# Altium PCB CU-ON-OFF-V2-08-11-18.PcbDoc (part 2 of 14) (continued)
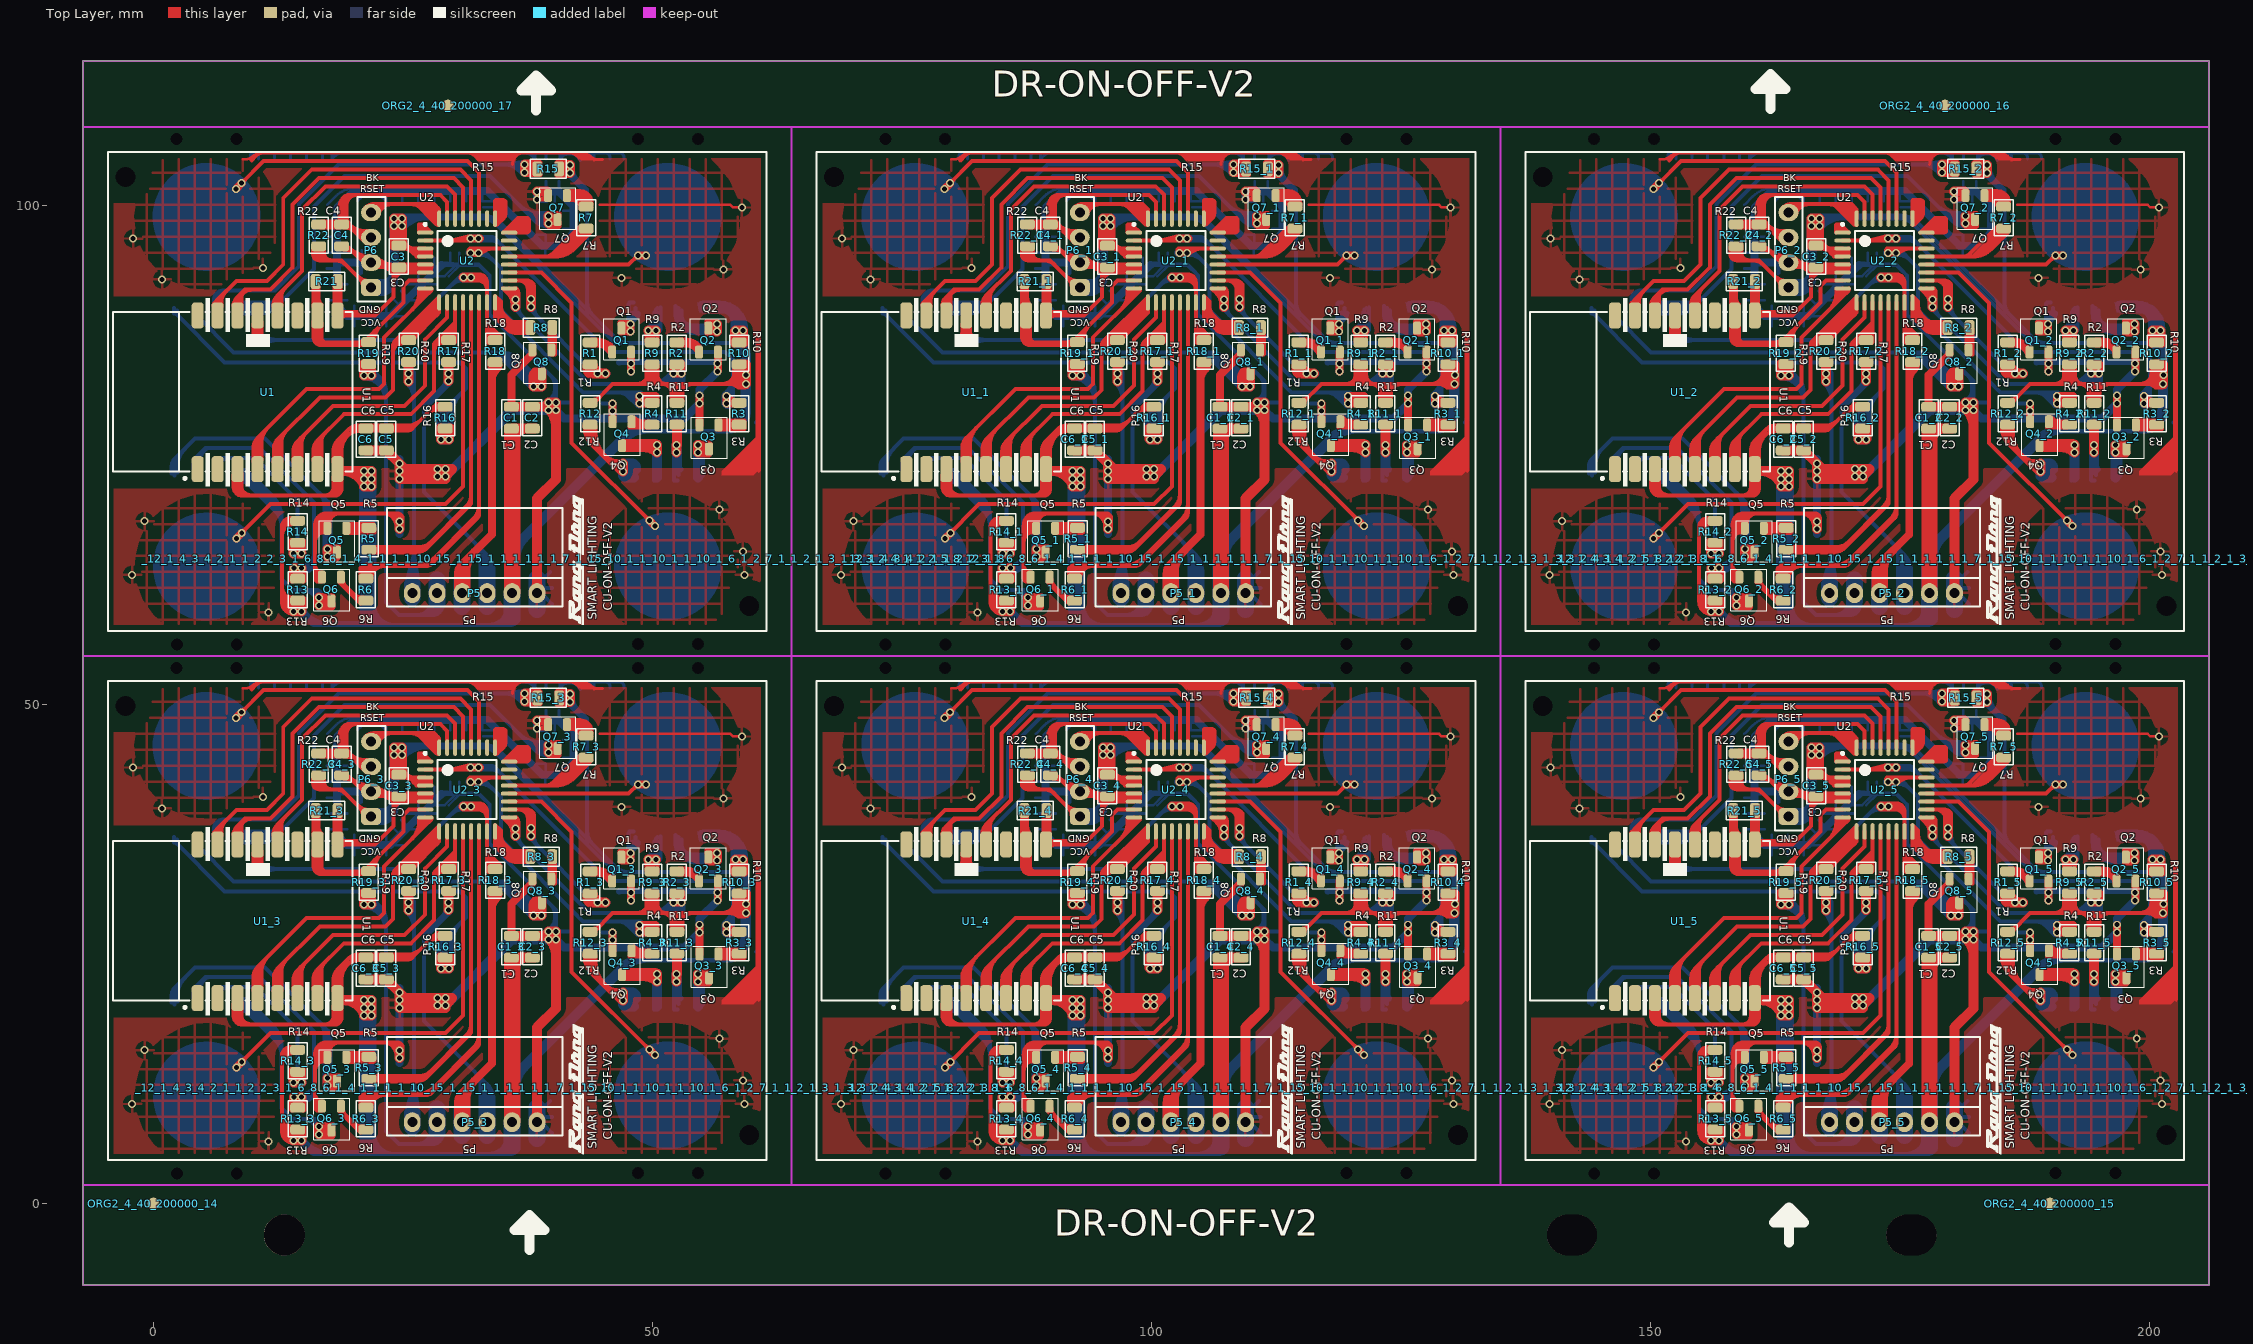
[diagram p0: Top Layer view]
## Nets (pads, with @x,y where several pads share a name; then routed paths per layer and width w, separated by ;. In a path a pad name is that pad's centre, name@x,y a point inside that pad or via, vN(x,y) a via of type N, cw(c..) or ccw(c..) an arc to the next point about the centre after c; other vN are vias at no path point) (continued)
  Bottom Layer w0.4: v1@25.437,82.522 ccw(c25.096,82.864) 25.578,82.864 ccw(c26.061,82.864) v1@25.72,82.522 ; v1@25.437,83.015 cw(c25.096,82.673) 25.578,82.673 cw(c26.061,82.673) v1@25.72,83.015 ; v1@25.461,82.994 cw(c25.326,82.808) v1@25.548,82.749 ; P5.1@25.481,61.766 ccw(c23.949,63.298) 26.116,63.298 ; v1@25.578,82.181 cw(c25.578,81.698) 25.92,82.04 cw(c26.261,82.381) v1@25.778,82.381 ; v1(25.578,83.156) v1(25.578,82.381) 26.116,81.843 P5.1@26.116,61.331 ; v1@25.609,82.749 cw(c25.831,82.808) v1@25.696,82.994 ; P5.1@25.764,61.483 ccw(c24.915,62.332) 26.116,62.332 ; 26.116,62.453 ccw(c27.088,62.453) P5.1@26.401,61.766
  Bottom Layer w1.7: P5.1@25.941,60.656 P5.1@25.941,61.156 P5.1@25.941,62.056
NetP5_2: P5.2 R19.1 | length 41.1
  Top Layer w0.4: v1@20.973,83.143 ccw(c20.128,84.306) 21.566,84.306 21.566,83.156 v1@21.741,82.981 ; v1@21.128,82.709 cw(c21.496,82.439) v1@21.753,82.816 ; v1@21.209,82.819 ccw(c20.699,83.521) 21.566,83.521 ; R19.1@21.354,83.894 cw(c20.842,83.382) 21.566,83.382 cw(c22.29,83.382) R19.1@21.778,83.894 ; v1@21.372,83.042 cw(c21.729,82.781) v1@21.979,83.146 ; R19.1@21.566,84.188 ccw(c23.073,84.188) v1@22.007,83.122
  Bottom Layer w0.4: v1@21.928,82.794 23.316,81.406 23.316,60.231 24.591,58.956 27.541,58.956 28.441,59.856 ; v1@22.066,82.981 ccw(c22.851,82.981) 22.296,82.426 ; P5.2@28.106,60.449 cw(c27.749,59.856) 28.441,59.856 ; P5.2@28.441,61.156 28.441,59.856 ; P5.2@28.776,60.449 ccw(c29.133,59.856) 28.441,59.856
  Bottom Layer w1.7: P5.2@28.441,61.156 28.441,62.481
  other v1: 21.091,82.981 21.866,82.981
NetP5_3: P5.3 R18.1 | length 30.3
  Top Layer w0.4: P5.3@30.481,61.766 ccw(c29.372,62.875) 30.941,62.875 ccw(c32.51,62.875) P5.3@31.401,61.766 ; R18.1@33.916,83.906 R18.1@34.116,84.106
  Top Layer w0.8: P5.3@30.941,61.156 30.941,64.081 33.916,67.056 R18.1@33.916,83.906
  Bottom Layer w1.7: 30.941,59.831 P5.3@30.941,61.156 ; P5.3@30.941,60.256 P5.3@30.941,61.156 ; 30.941,62.481 P5.3@30.941,61.156
NetP5_4: P5.4 R17.1 | length 38.8
  Top Layer w0.4: R17.1@29.379,84.094 cw(c28.867,83.582) 29.591,83.582 cw(c30.315,83.582) R17.1@29.803,84.094 ; v1@29.45,82.547 ccw(c29.108,82.889) 29.591,82.889 ccw(c30.074,82.889) v1@29.732,82.547 ; v1@29.45,83.04 cw(c29.108,82.698) 29.591,82.698 cw(c30.074,82.698) v1@29.732,83.04 ; v1@29.45,83.322 ccw(c29.108,83.664) 29.591,83.664 ccw(c30.074,83.664) v1@29.732,83.322 ; v1@29.473,82.568 ccw(c29.338,82.754) v1@29.56,82.813 ; v1(29.591,82.406) R17.1@29.591,84.056 ; v1@29.622,82.813 ccw(c29.844,82.754) v1@29.709,82.568
  Bottom Layer w0.4: v1@29.391,82.406 cw(c28.908,82.406) 29.25,82.065 cw(c29.591,81.723) v1@29.591,82.206 ; v1@29.45,82.547 ccw(c29.108,82.889) 29.591,82.889 ccw(c30.074,82.889) v1@29.732,82.547 ; v1@29.45,83.04 cw(c29.108,82.698) 29.591,82.698 cw(c30.074,82.698) v1@29.732,83.04 ; v1@29.473,82.568 ccw(c29.338,82.754) v1@29.56,82.813 ; v1(29.591,83.181) v1(29.591,82.406) 27.116,79.931 27.116,71.281 33.441,64.956 P5.4@33.441,61.156 ; v1@29.622,82.813 ccw(c29.844,82.754) v1@29.709,82.568 ; P5.4@32.981,61.766 ccw(c31.872,62.875) 33.441,62.875 ccw(c35.01,62.875) P5.4@33.901,61.766
  Bottom Layer w1.7: 33.441,59.831 P5.4@33.441,61.156 P5.4@33.441,60.256
NetQ1_2: Q1.2 R1.1 | length 4.6
  Top Layer w0.4: R1.1@43.766,86.281 44.991,86.281 Q1.2@45.966,85.306 ; R1.1@44.228,86.069 cw(c44.74,85.557) 44.74,86.281 cw(c44.74,87.005) R1.1@44.228,86.493 ; 45.198,86.074 ccw(c45.966,86.842) Q1.2@45.966,85.756
NetQ2_2: Q2.2 R2.1 | length 4.6
  Top Layer w0.4: R2.1@52.441,86.281 53.691,86.281 Q2.2@54.666,85.306 ; R2.1@52.903,86.069 cw(c53.415,85.557) 53.415,86.281 cw(c53.415,87.005) R2.1@52.903,86.493 ; 53.898,86.074 ccw(c54.666,86.842) Q2.2@54.666,85.756
NetQ3_2: Q3.2 R3.1 | length 4
  Top Layer w0.4: Q3.2@56.616,78.006 56.641,78.031 R3.1@58.691,78.031 ; Q3.2@56.757,77.865 cw(c57.159,77.463) 57.159,78.031 ; Q3.2@56.757,78.147 ccw(c57.038,78.429) 57.038,78.031 ; R3.1@58.229,77.819 ccw(c57.717,77.307) 57.717,78.031 ccw(c57.717,78.755) R3.1@58.229,78.243
NetQ4_2: Q4.2 R4.1 | length 5.5
  Top Layer w0.4: Q4.2@47.916,78.331 49.666,78.331 R4.1@49.966,78.031 ; Q4.2@48.057,78.19 cw(c48.399,77.848) 48.399,78.331 cw(c48.399,78.814) Q4.2@48.057,78.472 ; Q4.2@48.101,78.005 cw(c48.48,77.851) 48.586,78.246 ; Q4.2@48.268,78.331 cw(c48.268,76.583) R4.1@49.504,77.819 ; R4.1@49.233,78.331 cw(c49.233,77.548) R4.1@49.787,78.102
NetQ5_2: Q5.2 R5.1 | length 3.4
  Top Layer w0.4: Q5.2@19.341,67.831 R5.1@21.241,67.831 ; Q5.2@19.482,68.047 ccw(c20.005,68.57) 20.005,67.831 ; 20.315,67.831 cw(c20.315,66.68) R5.1@21.129,67.494
NetQ6_2: Q6.2 R6.1 | length 5.6
  Top Layer w0.4: Q6.2@18.791,62.756 18.791,62.331 20.716,60.406 R6.1@21.291,60.406 ; Q6.2@18.991,62.506 ccw(c19.896,62.506) 19.256,61.866 ; 19.974,61.148 ccw(c21.041,62.215) R6.1@21.041,60.706
NetQ7_2: Q7.2 R7.1 | length 4.5
  Top Layer w0.4: Q7.2@41.441,100.981 42.416,100.981 ; Q7.2@41.582,100.84 cw(c41.924,100.498) 41.924,100.981 cw(c41.924,101.464) Q7.2@41.582,101.122 ; R7.1@42.817,99.903 ccw(c41.44,100.004) 42.416,100.981 ; R7.1@43.516,99.881 42.416,100.981
NetQ8_2: Q8.2 R8.1 | length 4.1
  Top Layer w0.4: Q8.2@39.725,85.922 ccw(c39.142,86.505) 39.966,86.505 ; R8.1@39.754,87.294 cw(c39.242,86.782) 39.966,86.782 cw(c40.69,86.782) R8.1@40.178,87.294 ; Q8.2@39.866,85.331 39.966,85.431 R8.1@39.966,87.606
RESET: C4.1 P6.2 R22.2 U2.31 | length 31.2
  Top Layer w0.4: R22.2@16.466,98.106 C4.1@18.866,98.106 18.866,100.281 19.636,101.051 28.746,101.051 29.441,100.356 U2.31@29.441,98.681 ; R22.2@17.028,97.894 cw(c17.54,97.382) 17.54,98.106 cw(c17.54,98.83) R22.2@17.028,98.318 ; C4.1@18.404,97.894 ccw(c17.892,97.382) 17.892,98.106 ccw(c17.892,98.83) C4.1@18.404,98.318 ; C4.1@18.654,98.318 ccw(c18.142,98.83) 18.866,98.83 ccw(c19.59,98.83) C4.1@19.078,98.318 ; C4.1@19.116,97.806 cw(c19.116,96.297) 20.183,97.364 ; C4.1@19.266,98.106 C4.1@19.441,98.106 ; 19.993,97.554 ccw(c21.323,98.884) P6.2@21.626,97.028 ; 20.545,97.002 ccw(c21.478,97.935) P6.2@21.69,96.633 ; P6.2@21.049,96.577 ccw(c20.766,96.483) 20.766,96.781 ; P6.2@21.049,96.985 cw(c20.766,97.079) 20.766,96.781 ; P6.2@21.561,97.423 cw(c21.168,99.833) C4.1@19.441,98.106 ; P6.2@21.816,96.781 20.766,96.781 ; C4.1@19.441,98.106 20.766,96.781
VCC: C1.2 C2.2 C3.1 C5.1 C6.1 P5.5 P6.4 R9.1 R10.1 R11.1 R12.1 R13.1 R14.1 R15.1 R16.1 R22.1 U1.3 U1.8 U2.3 U2.4 | length 312.6
  Top Layer w0.4: U1.3@8.158,72.598 cw(c7.475,71.915) 8.441,71.915 cw(c9.407,71.915) U1.3@8.724,72.598 ; U1.3@8.691,73.581 8.441,73.331 8.441,71.581 9.091,70.931 17.891,70.931 18.466,71.506 U1.8@18.466,73.581 ; 12.916,67.781 cw(c13.821,66.876) R14.1@14.141,68.116 ; 13.411,68.276 cw(c14.024,67.663) R14.1@14.241,68.503 ; v1@13.955,59.507 ccw(c13.42,60.406) R13.1@14.466,60.406 ; R14.1@13.993,68.205 ccw(c13.541,67.797) 13.541,68.406 ; R14.1@13.993,68.607 cw(c13.541,69.015) 13.541,68.406 ; R13.1@14.004,60.194 ccw(c13.492,59.682) 13.492,60.406 ccw(c13.492,61.13) R13.1@14.004,60.618 ; v1@14.16,59.164 ccw(c13.839,59.702) 14.466,59.702 ; R13.1@14.258,60.19 cw(c13.791,59.702) 14.466,59.702 ; R13.1@14.35,60.136 ccw(c15.227,60.372) v1@14.904,59.522 ; 14.466,59.651 ccw(c15.047,59.651) v1@14.72,59.17 ; R14.1@14.466,68.406 13.541,68.406 ; v1@14.633,59.336 ccw(c14.15,59.336) 14.491,59.677 ccw(c14.833,60.018) v1@14.833,59.536 ; R13.1@14.674,60.19 ccw(c15.141,59.702) 14.466,59.702 ; v1(14.833,59.336) 14.466,59.702 ; v1@14.945,59.501 cw(c15.56,60.406) R13.1@14.466,60.406 ; R22.1@16.066,95.531 16.591,95.531 16.591,94.931 17.016,94.506 18.841,94.506 P6.4@21.104,92.243 ; R22.1@16.354,95.694 cw(c15.781,95.121) 16.591,95.121 ; 16.591,95.242 cw(c17.23,95.242) R22.1@16.778,95.694 ; U1.8@18.158,72.598 cw(c17.415,71.855) 18.466,71.855 ; U1.8@18.158,74.564 ccw(c17.415,75.307) 18.466,75.307 ; 18.466,71.976 cw(c19.346,71.976) U1.8@18.724,72.598 ; 18.466,75.186 ccw(c19.346,75.186) U1.8@18.724,74.564 ; U1.8@18.541,73.381 U1.8@18.441,73.581 U1.8@18.466,73.581 ; U1.8@18.724,73.298 cw(c19.407,72.615) 19.407,73.581 cw(c19.407,74.547) U1.8@18.724,73.864 ; 20.125,73.581 cw(c20.125,72.415) v1@20.95,73.24 ; 20.136,77.581 ccw(c20.136,78.561) C6.1@20.829,77.868 ; 20.386,92.961 ccw(c21.666,94.242) P6.4@21.666,92.431 ; 20.498,77.581 cw(c20.498,77.113) C6.1@20.829,77.444 ; 20.627,92.72 cw(c19.688,91.781) P6.4@21.016,91.781 ; v1@20.9,73.581 cw(c20.9,72.415) v1@21.725,73.24 ; v1@21.278,73.311 cw(c21.666,73.168) v1@21.666,73.581 ; C6.1@21.753,77.444 cw(c22.084,77.113) 22.084,77.581 ; C6.1@21.753,77.868 ccw(c22.446,78.561) 22.446,77.581 ; v1(21.866,73.381) v1@21.666,73.581 ; 22.186,77.581 ccw(c22.186,78.561) C5.1@22.879,77.868 ; 22.548,77.581 cw(c22.548,77.113) C5.1@22.879,77.444 ; C5.1@23.341,77.581 19.616,77.581 18.466,76.431 U1.8@18.466,73.581 ; C5.1@23.341,77.656 25.941,77.656 28.116,79.831 R16.1@28.791,79.831 ; C5.1@23.803,77.444 cw(c24.315,76.932) 24.315,77.656 cw(c24.315,78.38) C5.1@23.803,77.868 ; v1@23.992,97.783 cw(c23.51,97.301) 24.191,97.301 ; v1(24.133,97.924) 24.133,96.439 C3.1@24.591,95.981 ; 24.191,97.067 ccw(c25.427,97.067) C3.1@24.553,96.193 ; v1@24.191,97.924 24.191,96.231 24.741,95.681 U2.3@27.241,95.681 U2.4@27.241,94.881 ; C3.1@24.77,95.91 ccw(c25.324,96.464) C3.1@25.324,95.681 ; C3.1@25.053,96.193 ccw(c26.289,97.429) 26.289,95.681 ; R16.1@28.779,79.619 ccw(c28.267,79.107) 28.267,79.831 ccw(c28.267,80.555) R16.1@28.779,80.043 ; P5.5@35.481,61.766 ccw(c34.372,62.875) 35.941,62.875 ccw(c37.51,62.875) P5.5@36.401,61.766 ; C1.2@35.654,77.419 cw(c34.961,76.726) 35.941,76.726 ; P5.5@35.941,61.156 35.941,77.556 C1.2@35.866,77.631 C2.2@37.966,77.631 ; 35.941,77.088 cw(c36.409,77.088) C1.2@36.078,77.419 ; C1.2@36.328,77.419 cw(c36.84,76.907) 36.84,77.631 cw(c36.84,78.355) C1.2@36.328,77.843 ; C2.2@37.504,77.419 ccw(c36.992,76.907) 36.992,77.631 ccw(c36.992,78.355) C2.2@37.504,77.843 ; R15.1@40.666,103.995 R15.1@40.666,103.656 41.049,104.039 v1(41.722,104.039) ; R15.1@40.878,103.694 cw(c41.711,102.861) v1@41.711,104.039 ; 41.249,103.915 cw(c41.376,103.439) v1@41.622,103.866 ; 41.262,103.919 ccw(c41.14,104.375) v1@41.549,104.139 ; v1@41.581,103.898 ccw(c41.24,103.556) 41.24,104.039 ccw(c41.24,104.522) v1@41.581,104.18 ; R12.1@43.766,80.231 44.141,80.231 46.009,82.099 v1(59.358,82.099) v1(59.383,83.024) v1@59.383,83.389 ; R12.1@44.016,80.531 ccw(c44.016,81.557) 44.742,80.832 ; R12.1@44.316,80.231 cw(c44.739,80.231) R12.1@44.44,80.53 ; R9.1@49.754,83.869 cw(c49.242,83.357) 49.966,83.357 cw(c50.69,83.357) R9.1@50.178,83.869 ; 49.966,82.206 R9.1@49.966,84.081 ; R11.1@52.229,80.443 ccw(c51.717,80.955) 52.441,80.955 ccw(c53.165,80.955) R11.1@52.653,80.443 ; R11.1@52.441,80.231 52.441,82.031 ; R10.1@58.783,83.989 cw(c57.819,83.024) v1@59.183,83.024 ; R10.1@58.893,83.993 ccw(c59.18,84.52) 59.605,84.096 ; R10.1@59.17,83.887 cw(c59.59,83.529) 59.59,84.081 ; R10.1@59.17,84.275 ccw(c59.59,84.633) 59.59,84.081 ; v1@59.217,81.958 ccw(c58.875,81.616) 58.875,82.099 ccw(c58.875,82.582) v1@59.217,82.24 ; v1@59.22,82.244 ccw(c58.888,82.595) 59.371,82.582 ccw(c59.854,82.569) v1@59.503,82.237 ; R10.1@59.229,83.996 ccw(c59.816,83.822) v1@59.383,83.389 ; v1@59.234,83.157 ccw(c58.969,83.395) 59.277,83.572 ; v1@59.238,82.886 cw(c58.887,82.554) 59.37,82.541 cw(c59.853,82.528) v1@59.521,82.879 ; 13.541,68.406 12.866,67.731 12.866,61.006 13.466,60.406 R13.1@14.466,60.406 ; 14.466,59.702 R13.1@14.466,60.406 ; U1.8@18.466,73.581 v1@21.666,73.581 ; v1@59.383,83.389 R10.1@58.691,84.081 59.59,84.081
  Top Layer w1: U1.8@18.541,73.381 v1(21.091,73.381) ; v1@59.36,83.02 R10.1@59.36,84.046
  Bottom Layer w0.4: v1@14.833,59.136 cw(c14.833,58.653) 15.174,58.994 cw(c15.516,59.336) v1@15.033,59.336 ; v1(14.833,59.336) 16.216,57.952 23.166,57.952 ; v1@21.725,71.69 cw(c21.383,71.348) 21.866,71.348 cw(c22.349,71.348) v1@22.007,71.69 ; P6.4@21.816,91.781 23.666,91.781 24.133,92.248 v1(24.133,97.924) ; v1(21.866,71.831) 21.866,59.252 23.166,57.952 ; P6.4@22.426,91.321 cw(c23.535,90.212) 23.535,91.781 cw(c23.535,93.35) P6.4@22.426,92.241 ; v1@23.992,97.783 cw(c23.65,97.441) 24.133,97.441 cw(c24.616,97.441) v1@24.274,97.783 ; v1@24.274,98.558 cw(c24.616,98.216) 24.616,98.699 cw(c24.616,99.182) v1@24.274,98.84 ; v1@24.276,98.559 cw(c24.608,98.235) v1@24.608,98.699 ; v1@24.276,98.839 ccw(c24.608,99.163) v1@24.608,98.699 ; v1@25.049,98.558 cw(c25.391,98.216) 25.391,98.699 cw(c25.391,99.182) v1@25.049,98.84 ; P5.5@35.481,60.546 cw(c34.372,59.437) 35.941,59.437 cw(c37.51,59.437) P5.5@36.401,60.546 ; P5.5@35.481,61.766 ccw(c34.372,62.875) 35.941,62.875 ccw(c37.51,62.875) P5.5@36.401,61.766 ; v1@41.722,103.064 cw(c41.722,102.411) 42.184,102.873 ; v1@41.758,103.299 43.466,101.591 43.466,88.991 ; v1@59.218,81.956 cw(c58.879,81.612) 59.362,81.616 cw(c59.845,81.62) v1@59.501,81.959 ; v1@59.22,82.244 ccw(c58.888,82.595) 59.371,82.582 ccw(c59.854,82.569) v1@59.503,82.237 ; v1@59.238,82.886 cw(c58.887,82.554) 59.37,82.541 cw(c59.853,82.528) v1@59.521,82.879 ; v1@59.242,83.165 ccw(c58.9,83.507) 59.383,83.507 ccw(c59.866,83.507) v1@59.524,83.165 ; 23.166,57.952 34.637,57.952 35.941,59.256 P5.5@35.941,61.156 35.941,65.056 48.216,77.331 57.591,77.331 59.383,79.123 v1(59.358,82.099) v1(59.383,83.024) 59.383,85.056 58.213,86.226 46.231,86.226 43.466,88.991 ; v1@24.608,98.699 33.758,98.699 43.466,88.991
  other v1: 14.058,59.336 21.091,71.831 21.091,72.606 21.866,72.606 24.908,97.924 24.133,98.699 24.908,98.699 41.722,103.264
"WIFI LED": U1.12 U2.30 | length 32.3
  Top Layer w0.4: U1.12@12.158,89.964 ccw(c11.475,90.647) 12.441,90.647 ccw(c13.407,90.647) U1.12@12.724,89.964 ; U1.12@12.691,88.981 12.441,89.231 12.441,90.956 14.916,93.431 14.916,99.581 17.231,101.896 29.426,101.896 30.241,101.081 U2.30@30.241,98.681
pads on no net: C1_1.1 C1_1.2 C1_2.1 C1_2.2 C1_3.1 C1_3.2 C1_4.1 C1_4.2 C1_5.1 C1_5.2 C2_1.1 C2_1.2 C2_2.1 C2_2.2 C2_3.1 C2_3.2 C2_4.1 C2_4.2 C2_5.1 C2_5.2 C3_1.1 C3_1.2 C3_2.1 C3_2.2 C3_3.1 C3_3.2 C3_4.1 C3_4.2 C3_5.1 C3_5.2 C4_1.1 C4_1.2 C4_2.1 C4_2.2 C4_3.1 C4_3.2 C4_4.1 C4_4.2 C4_5.1 C4_5.2 C5_1.1 C5_1.2 C5_2.1 C5_2.2 C5_3.1 C5_3.2 C5_4.1 C5_4.2 C5_5.1 C5_5.2 C6_1.1 C6_1.2 C6_2.1 C6_2.2 C6_3.1 C6_3.2 C6_4.1 C6_4.2 C6_5.1 C6_5.2 D1_1.1 D1_1.2 D1_2.1 D1_2.2 D1_3.1 D1_3.2 D1_4.1 D1_4.2 D1_5.1 D1_5.2 D2_1.1 D2_1.2 D2_2.1 D2_2.2 D2_3.1 D2_3.2 D2_4.1 D2_4.2 D2_5.1 D2_5.2 D3_1.1 D3_1.2 D3_2.1 D3_2.2 D3_3.1 D3_3.2 D3_4.1 D3_4.2 D3_5.1 D3_5.2 D4_1.1 D4_1.2 D4_2.1 D4_2.2 D4_3.1 D4_3.2 D4_4.1 D4_4.2 D4_5.1 D4_5.2 D5_1.1 D5_1.2 D5_2.1 D5_2.2 D5_3.1 D5_3.2 D5_4.1 D5_4.2 D5_5.1 D5_5.2 D6_1.1 D6_1.2 D6_2.1 D6_2.2 D6_3.1 D6_3.2 D6_4.1 D6_4.2 D6_5.1 D6_5.2 D7_1.1 D7_1.2 D7_2.1 D7_2.2 D7_3.1 D7_3.2 D7_4.1 D7_4.2 D7_5.1 D7_5.2 D8_1.1 D8_1.2 D8_2.1 D8_2.2 D8_3.1 D8_3.2 D8_4.1 D8_4.2 D8_5.1 D8_5.2 ORG2_4_40_200000_14.1 ORG2_4_40_200000_15.1 ORG2_4_40_200000_16.1 ORG2_4_40_200000_17.1 P5_1.1 P5_1.2 P5_1.3 P5_1.4 P5_1.5 P5_1.6 P5_2.1 P5_2.2 P5_2.3 P5_2.4 P5_2.5 P5_2.6 P5_3.1 P5_3.2 P5_3.3 P5_3.4 P5_3.5 P5_3.6 P5_4.1 P5_4.2 P5_4.3 P5_4.4 P5_4.5 P5_4.6 P5_5.1 P5_5.2 P5_5.3 P5_5.4 P5_5.5 P5_5.6 P6_1.1 P6_1.2 P6_1.3 P6_1.4 P6_2.1 P6_2.2 P6_2.3 P6_2.4 P6_3.1 P6_3.2 P6_3.3 P6_3.4 P6_4.1 P6_4.2 P6_4.3 P6_4.4 P6_5.1 P6_5.2 P6_5.3 P6_5.4 Q1_1.1 Q1_1.2 Q1_1.3 Q1_2.1 Q1_2.2 Q1_2.3 Q1_3.1 Q1_3.2 Q1_3.3 Q1_4.1 Q1_4.2 Q1_4.3 Q1_5.1 Q1_5.2 Q1_5.3 Q2_1.1 Q2_1.2 Q2_1.3 Q2_2.1 Q2_2.2 Q2_2.3 Q2_3.1 Q2_3.2 Q2_3.3 Q2_4.1 Q2_4.2 Q2_4.3 Q2_5.1 Q2_5.2 Q2_5.3 Q3_1.1 Q3_1.2 Q3_1.3 Q3_2.1 Q3_2.2 Q3_2.3 Q3_3.1 Q3_3.2 Q3_3.3 Q3_4.1 Q3_4.2 Q3_4.3 Q3_5.1 Q3_5.2 Q3_5.3 Q4_1.1 Q4_1.2 Q4_1.3 Q4_2.1 Q4_2.2 Q4_2.3 Q4_3.1 Q4_3.2 Q4_3.3 Q4_4.1 Q4_4.2 Q4_4.3 Q4_5.1 Q4_5.2 Q4_5.3 Q5_1.1 Q5_1.2 Q5_1.3 Q5_2.1 Q5_2.2 Q5_2.3 Q5_3.1 Q5_3.2 Q5_3.3 Q5_4.1 Q5_4.2 Q5_4.3 Q5_5.1 Q5_5.2 Q5_5.3 Q6_1.1 Q6_1.2 Q6_1.3 Q6_2.1 Q6_2.2 Q6_2.3 Q6_3.1 Q6_3.2 Q6_3.3 Q6_4.1 Q6_4.2 Q6_4.3 Q6_5.1 Q6_5.2 Q6_5.3 Q7_1.1 Q7_1.2 Q7_1.3 Q7_2.1 Q7_2.2 Q7_2.3 Q7_3.1 Q7_3.2 Q7_3.3 Q7_4.1 Q7_4.2 Q7_4.3 Q7_5.1 Q7_5.2 Q7_5.3 Q8_1.1 Q8_1.2 Q8_1.3 Q8_2.1 Q8_2.2 Q8_2.3 Q8_3.1 Q8_3.2 Q8_3.3 Q8_4.1 Q8_4.2 Q8_4.3 Q8_5.1 Q8_5.2 Q8_5.3 R1_1.1 R1_1.2 R1_2.1 R1_2.2 R1_3.1 R1_3.2 R1_4.1 R1_4.2 R1_5.1 R1_5.2 R2_1.1 R2_1.2 R2_2.1 R2_2.2 R2_3.1 R2_3.2 R2_4.1 R2_4.2 R2_5.1 R2_5.2 R3_1.1 R3_1.2 R3_2.1 R3_2.2 R3_3.1 R3_3.2 R3_4.1 R3_4.2 R3_5.1 R3_5.2 R4_1.1 R4_1.2 R4_2.1 R4_2.2 R4_3.1 R4_3.2 R4_4.1 R4_4.2 R4_5.1 R4_5.2 R5_1.1 R5_1.2 R5_2.1 R5_2.2 R5_3.1 R5_3.2 R5_4.1 R5_4.2 R5_5.1 R5_5.2 R6_1.1 R6_1.2 R6_2.1 R6_2.2 R6_3.1 R6_3.2 R6_4.1 R6_4.2 R6_5.1 R6_5.2 R7_1.1 R7_1.2 R7_2.1 R7_2.2 R7_3.1 R7_3.2 R7_4.1 R7_4.2 R7_5.1 R7_5.2 R8_1.1 R8_1.2 R8_2.1 R8_2.2 R8_3.1 R8_3.2 R8_4.1 R8_4.2 R8_5.1 R8_5.2 R9_1.1 R9_1.2 R9_2.1 R9_2.2 R9_3.1 R9_3.2 R9_4.1 R9_4.2 R9_5.1 R9_5.2 R10_1.1 R10_1.2 R10_2.1 R10_2.2 R10_3.1 R10_3.2 R10_4.1 R10_4.2 R10_5.1 R10_5.2 R11_1.1 R11_1.2 R11_2.1 R11_2.2 R11_3.1 R11_3.2 R11_4.1 R11_4.2 R11_5.1 R11_5.2 R12_1.1 R12_1.2 R12_2.1 R12_2.2 R12_3.1 R12_3.2 R12_4.1 R12_4.2 R12_5.1 R12_5.2 R13_1.1 R13_1.2 R13_2.1 R13_2.2 R13_3.1 R13_3.2 R13_4.1 R13_4.2 R13_5.1 R13_5.2 R14_1.1 R14_1.2 R14_2.1 R14_2.2 R14_3.1 R14_3.2 R14_4.1 R14_4.2 R14_5.1 R14_5.2 R15_1.1 R15_1.2 R15_2.1 R15_2.2 R15_3.1 R15_3.2 R15_4.1 R15_4.2 R15_5.1 R15_5.2 R16_1.1 R16_1.2 R16_2.1 R16_2.2 R16_3.1 R16_3.2 R16_4.1 R16_4.2 R16_5.1 R16_5.2 R17_1.1 R17_1.2 R17_2.1 R17_2.2 R17_3.1 R17_3.2 R17_4.1 R17_4.2 R17_5.1 R17_5.2 R18_1.1 R18_1.2 R18_2.1 R18_2.2 R18_3.1 R18_3.2 R18_4.1 R18_4.2 R18_5.1 R18_5.2 R19_1.1 R19_1.2 R19_2.1 R19_2.2 R19_3.1 R19_3.2 R19_4.1 R19_4.2 R19_5.1 R19_5.2 R20_1.1 R20_1.2 R20_2.1 R20_2.2 R20_3.1 R20_3.2 R20_4.1 R20_4.2 R20_5.1 R20_5.2 R21_1.1 R21_1.2 R21_2.1 R21_2.2 R21_3.1 R21_3.2 R21_4.1 R21_4.2 R21_5.1 R21_5.2 R22_1.1 R22_1.2 R22_2.1 R22_2.2 R22_3.1 R22_3.2 R22_4.1 R22_4.2 R22_5.1 R22_5.2 U1.1 U1.2 U1.11 U1.16 U1_1.1 U1_1.2 U1_1.3 U1_1.4 U1_1.5 U1_1.6 U1_1.7 U1_1.8 U1_1.9 U1_1.10 U1_1.11 U1_1.12 U1_1.13 U1_1.14 U1_1.15 U1_1.16 U1_2.1 U1_2.2 U1_2.3 U1_2.4 U1_2.5 U1_2.6 U1_2.7 U1_2.8 U1_2.9 U1_2.10 U1_2.11 U1_2.12 U1_2.13 U1_2.14 U1_2.15 U1_2.16 U1_3.1 U1_3.2 U1_3.3 U1_3.4 U1_3.5 U1_3.6 U1_3.7 U1_3.8 U1_3.9 U1_3.10 U1_3.11 U1_3.12 U1_3.13 U1_3.14 U1_3.15 U1_3.16 U1_4.1 U1_4.2 U1_4.3 U1_4.4 U1_4.5 U1_4.6 U1_4.7 U1_4.8 U1_4.9 U1_4.10 U1_4.11 U1_4.12 U1_4.13 U1_4.14 U1_4.15 U1_4.16 U1_5.1 U1_5.2 U1_5.3 U1_5.4 U1_5.5 U1_5.6 U1_5.7 U1_5.8 U1_5.9 U1_5.10 U1_5.11 U1_5.12 U1_5.13 U1_5.14 U1_5.15 U1_5.16 U2.1 U2.2 U2.24 U2.25 U2.26 U2_1.1 U2_1.2 U2_1.3 U2_1.4 U2_1.5 U2_1.6 U2_1.7 U2_1.8 U2_1.9 U2_1.10 U2_1.11 U2_1.12 U2_1.13 U2_1.14 U2_1.15 U2_1.16 U2_1.17 U2_1.18 U2_1.19 U2_1.20 U2_1.21 U2_1.22 U2_1.23 U2_1.24 U2_1.25 U2_1.26 U2_1.27 U2_1.28 U2_1.29 U2_1.30 U2_1.31 U2_1.32 U2_2.1 U2_2.2 U2_2.3 U2_2.4 U2_2.5 U2_2.6 U2_2.7 U2_2.8 U2_2.9 U2_2.10 U2_2.11 U2_2.12 U2_2.13 U2_2.14 U2_2.15 U2_2.16 U2_2.17 U2_2.18 U2_2.19 U2_2.20 U2_2.21 U2_2.22 U2_2.23 U2_2.24 U2_2.25 U2_2.26 U2_2.27 U2_2.28 U2_2.29 U2_2.30 U2_2.31 U2_2.32 U2_3.1 U2_3.2 U2_3.3 U2_3.4 U2_3.5 U2_3.6 U2_3.7 U2_3.8 U2_3.9 U2_3.10 U2_3.11 U2_3.12 U2_3.13 U2_3.14 U2_3.15 U2_3.16 U2_3.17 U2_3.18 U2_3.19 U2_3.20 U2_3.21 U2_3.22 U2_3.23 U2_3.24 U2_3.25 U2_3.26 U2_3.27 U2_3.28 U2_3.29 U2_3.30 U2_3.31 U2_3.32 U2_4.1 U2_4.2 U2_4.3 U2_4.4 U2_4.5 U2_4.6 U2_4.7 U2_4.8 U2_4.9 U2_4.10 U2_4.11 U2_4.12 U2_4.13 U2_4.14 U2_4.15 U2_4.16 U2_4.17 U2_4.18 U2_4.19 U2_4.20 U2_4.21 U2_4.22 U2_4.23 U2_4.24 U2_4.25 U2_4.26 U2_4.27 U2_4.28 U2_4.29 U2_4.30 U2_4.31 U2_4.32 U2_5.1 U2_5.2 U2_5.3 U2_5.4 U2_5.5 U2_5.6 U2_5.7 U2_5.8 U2_5.9 U2_5.10 U2_5.11 U2_5.12 U2_5.13 U2_5.14 U2_5.15 U2_5.16 U2_5.17 U2_5.18 U2_5.19 U2_5.20 U2_5.21 U2_5.22 U2_5.23 U2_5.24 U2_5.25 U2_5.26 U2_5.27 U2_5.28 U2_5.29 U2_5.30 U2_5.31 U2_5.32
copper on no net: | length 18278.1
  Top Layer w0.2: 43.891,46.782 44.016,46.782 ; 43.891,99.781 44.016,99.781 ; 114.891,46.782 115.016,46.782 ; 114.891,99.781 115.016,99.781 ; 185.891,46.782 186.016,46.782 ; 185.891,99.781 186.016,99.781
  Top Layer w0.25: 8.941,51.632 9.301,51.632 ccw(c9.301,52.38) 9.83,51.851 ; 8.941,104.631 9.301,104.631 ccw(c9.301,105.379) 9.83,104.85 ; 44.741,47.052 57.806,47.052 58.058,46.8 v1(58.958,46.8) ; 44.741,100.051 57.806,100.051 58.058,99.799 v1(58.958,99.799) ; 79.941,51.632 80.301,51.632 ccw(c80.301,52.38) 80.83,51.851 ; 79.941,104.631 80.301,104.631 ccw(c80.301,105.379) 80.83,104.85 ; 115.741,47.052 128.806,47.052 129.058,46.8 v1(129.958,46.8) ; 115.741,100.051 128.806,100.051 129.058,99.799 v1(129.958,99.799) ; 150.941,51.632 151.301,51.632 ccw(c151.301,52.38) 151.83,51.851 ; 150.941,104.631 151.301,104.631 ccw(c151.301,105.379) 151.83,104.85 ; 186.741,47.052 199.806,47.052 200.058,46.8 v1(200.958,46.8) ; 186.741,100.051 199.806,100.051 200.058,99.799 v1(200.958,99.799)
  Top Layer w0.3: 9.642,51.632 9.741,51.731 cw(c11.02,50.452) 11.02,52.261 ; 9.642,104.631 9.741,104.73 cw(c11.02,103.451) 11.02,105.26 ; 9.83,51.441 10.388,51.999 cw(c11.02,51.368) 11.02,52.261 ; 9.83,104.44 10.388,104.998 cw(c11.02,104.367) 11.02,105.26 ; 31.45,52.261 cw(c31.45,51.247) 32.167,51.964 32.53,51.601 ; 31.45,105.26 cw(c31.45,104.246) 32.167,104.963 32.53,104.6 ; 35.96,51.091 cw(c37.095,51.091) 36.292,51.893 36.335,51.936 cw(c37.12,51.15) 37.12,52.261 ; 35.96,104.09 cw(c37.095,104.09) 36.292,104.892 36.335,104.935 cw(c37.12,104.149) 37.12,105.26 ; 36.519,52.12 cw(c36.86,51.778) 36.86,52.261 ; 36.519,105.119 cw(c36.86,104.777) 36.86,105.26 ; 41.63,52.261 cw(c41.63,51.03) 42.501,51.9 42.66,51.741 ; 41.63,105.26 cw(c41.63,104.029) 42.501,104.899 42.66,104.74 ; 44.21,51.531 cw(c44.21,51.579) 44.176,51.545 43.87,51.851 ; 44.21,104.53 cw(c44.21,104.578) 44.176,104.544 43.87,104.85 ; 45,51.591 44.498,51.591 cw(c44.498,52.478) 43.87,51.851 ; 45,104.59 44.498,104.59 cw(c44.498,105.477) 43.87,104.85 ; 80.642,51.632 80.741,51.731 cw(c82.02,50.452) 82.02,52.261 ; 80.642,104.631 80.741,104.73 cw(c82.02,103.451) 82.02,105.26 ; 80.83,51.441 81.388,51.999 cw(c82.02,51.368) 82.02,52.261 ; 80.83,104.44 81.388,104.998 cw(c82.02,104.367) 82.02,105.26 ; 102.45,52.261 cw(c102.45,51.247) 103.167,51.964 103.53,51.601 ; 102.45,105.26 cw(c102.45,104.246) 103.167,104.963 103.53,104.6 ; 106.96,51.091 cw(c108.095,51.091) 107.292,51.893 107.335,51.936 cw(c108.12,51.15) 108.12,52.261 ; 106.96,104.09 cw(c108.095,104.09) 107.292,104.892 107.335,104.935 cw(c108.12,104.149) 108.12,105.26 ; 107.519,52.12 cw(c107.86,51.778) 107.86,52.261 ; 107.519,105.119 cw(c107.86,104.777) 107.86,105.26 ; 112.63,52.261 cw(c112.63,51.03) 113.501,51.9 113.66,51.741 ; 112.63,105.26 cw(c112.63,104.029) 113.501,104.899 113.66,104.74 ; 115.21,51.531 cw(c115.21,51.579) 115.176,51.545 114.87,51.851 ; 115.21,104.53 cw(c115.21,104.578) 115.176,104.544 114.87,104.85 ; 116,51.591 115.497,51.591 cw(c115.497,52.478) 114.87,51.851 ; 116,104.59 115.497,104.59 cw(c115.497,105.477) 114.87,104.85 ; 151.642,51.632 151.741,51.731 cw(c153.02,50.452) 153.02,52.261 ; 151.642,104.631 151.741,104.73 cw(c153.02,103.451) 153.02,105.26 ; 151.83,51.441 152.388,51.999 cw(c153.02,51.368) 153.02,52.261 ; 151.83,104.44 152.388,104.998 cw(c153.02,104.367) 153.02,105.26 ; 173.45,52.261 cw(c173.45,51.247) 174.167,51.964 174.53,51.601 ; 173.45,105.26 cw(c173.45,104.246) 174.167,104.963 174.53,104.6 ; 177.96,51.091 cw(c179.095,51.091) 178.292,51.893 178.335,51.936 cw(c179.12,51.15) 179.12,52.261 ; 177.96,104.09 cw(c179.095,104.09) 178.292,104.892 178.335,104.935 cw(c179.12,104.149) 179.12,105.26 ; 178.518,52.12 cw(c178.86,51.778) 178.86,52.261 ; 178.518,105.119 cw(c178.86,104.777) 178.86,105.26 ; 183.63,52.261 cw(c183.63,51.03) 184.501,51.9 184.66,51.741 ; 183.63,105.26 cw(c183.63,104.029) 184.501,104.899 184.66,104.74 ; 186.21,51.531 cw(c186.21,51.579) 186.176,51.545 185.87,51.851 ; 186.21,104.53 cw(c186.21,104.578) 186.176,104.544 185.87,104.85 ; 187,51.591 186.497,51.591 cw(c186.497,52.478) 185.87,51.851 ; 187,104.59 186.497,104.59 cw(c186.497,105.477) 185.87,104.85 ; 11.02,52.261 42.88,52.261 cw(c42.88,50.861) 43.87,51.851 ; 11.02,105.26 42.88,105.26 cw(c42.88,103.86) 43.87,104.85 ; 82.02,52.261 113.88,52.261 cw(c113.88,50.861) 114.87,51.851 ; 82.02,105.26 113.88,105.26 cw(c113.88,103.86) 114.87,104.85 ; 153.02,52.261 184.88,52.261 cw(c184.88,50.861) 185.87,51.851 ; 153.02,105.26 184.88,105.26 cw(c184.88,103.86) 185.87,104.85